# Altium PCB SOM Board with RK3399.PcbDoc (part 1 of 5) (continued)
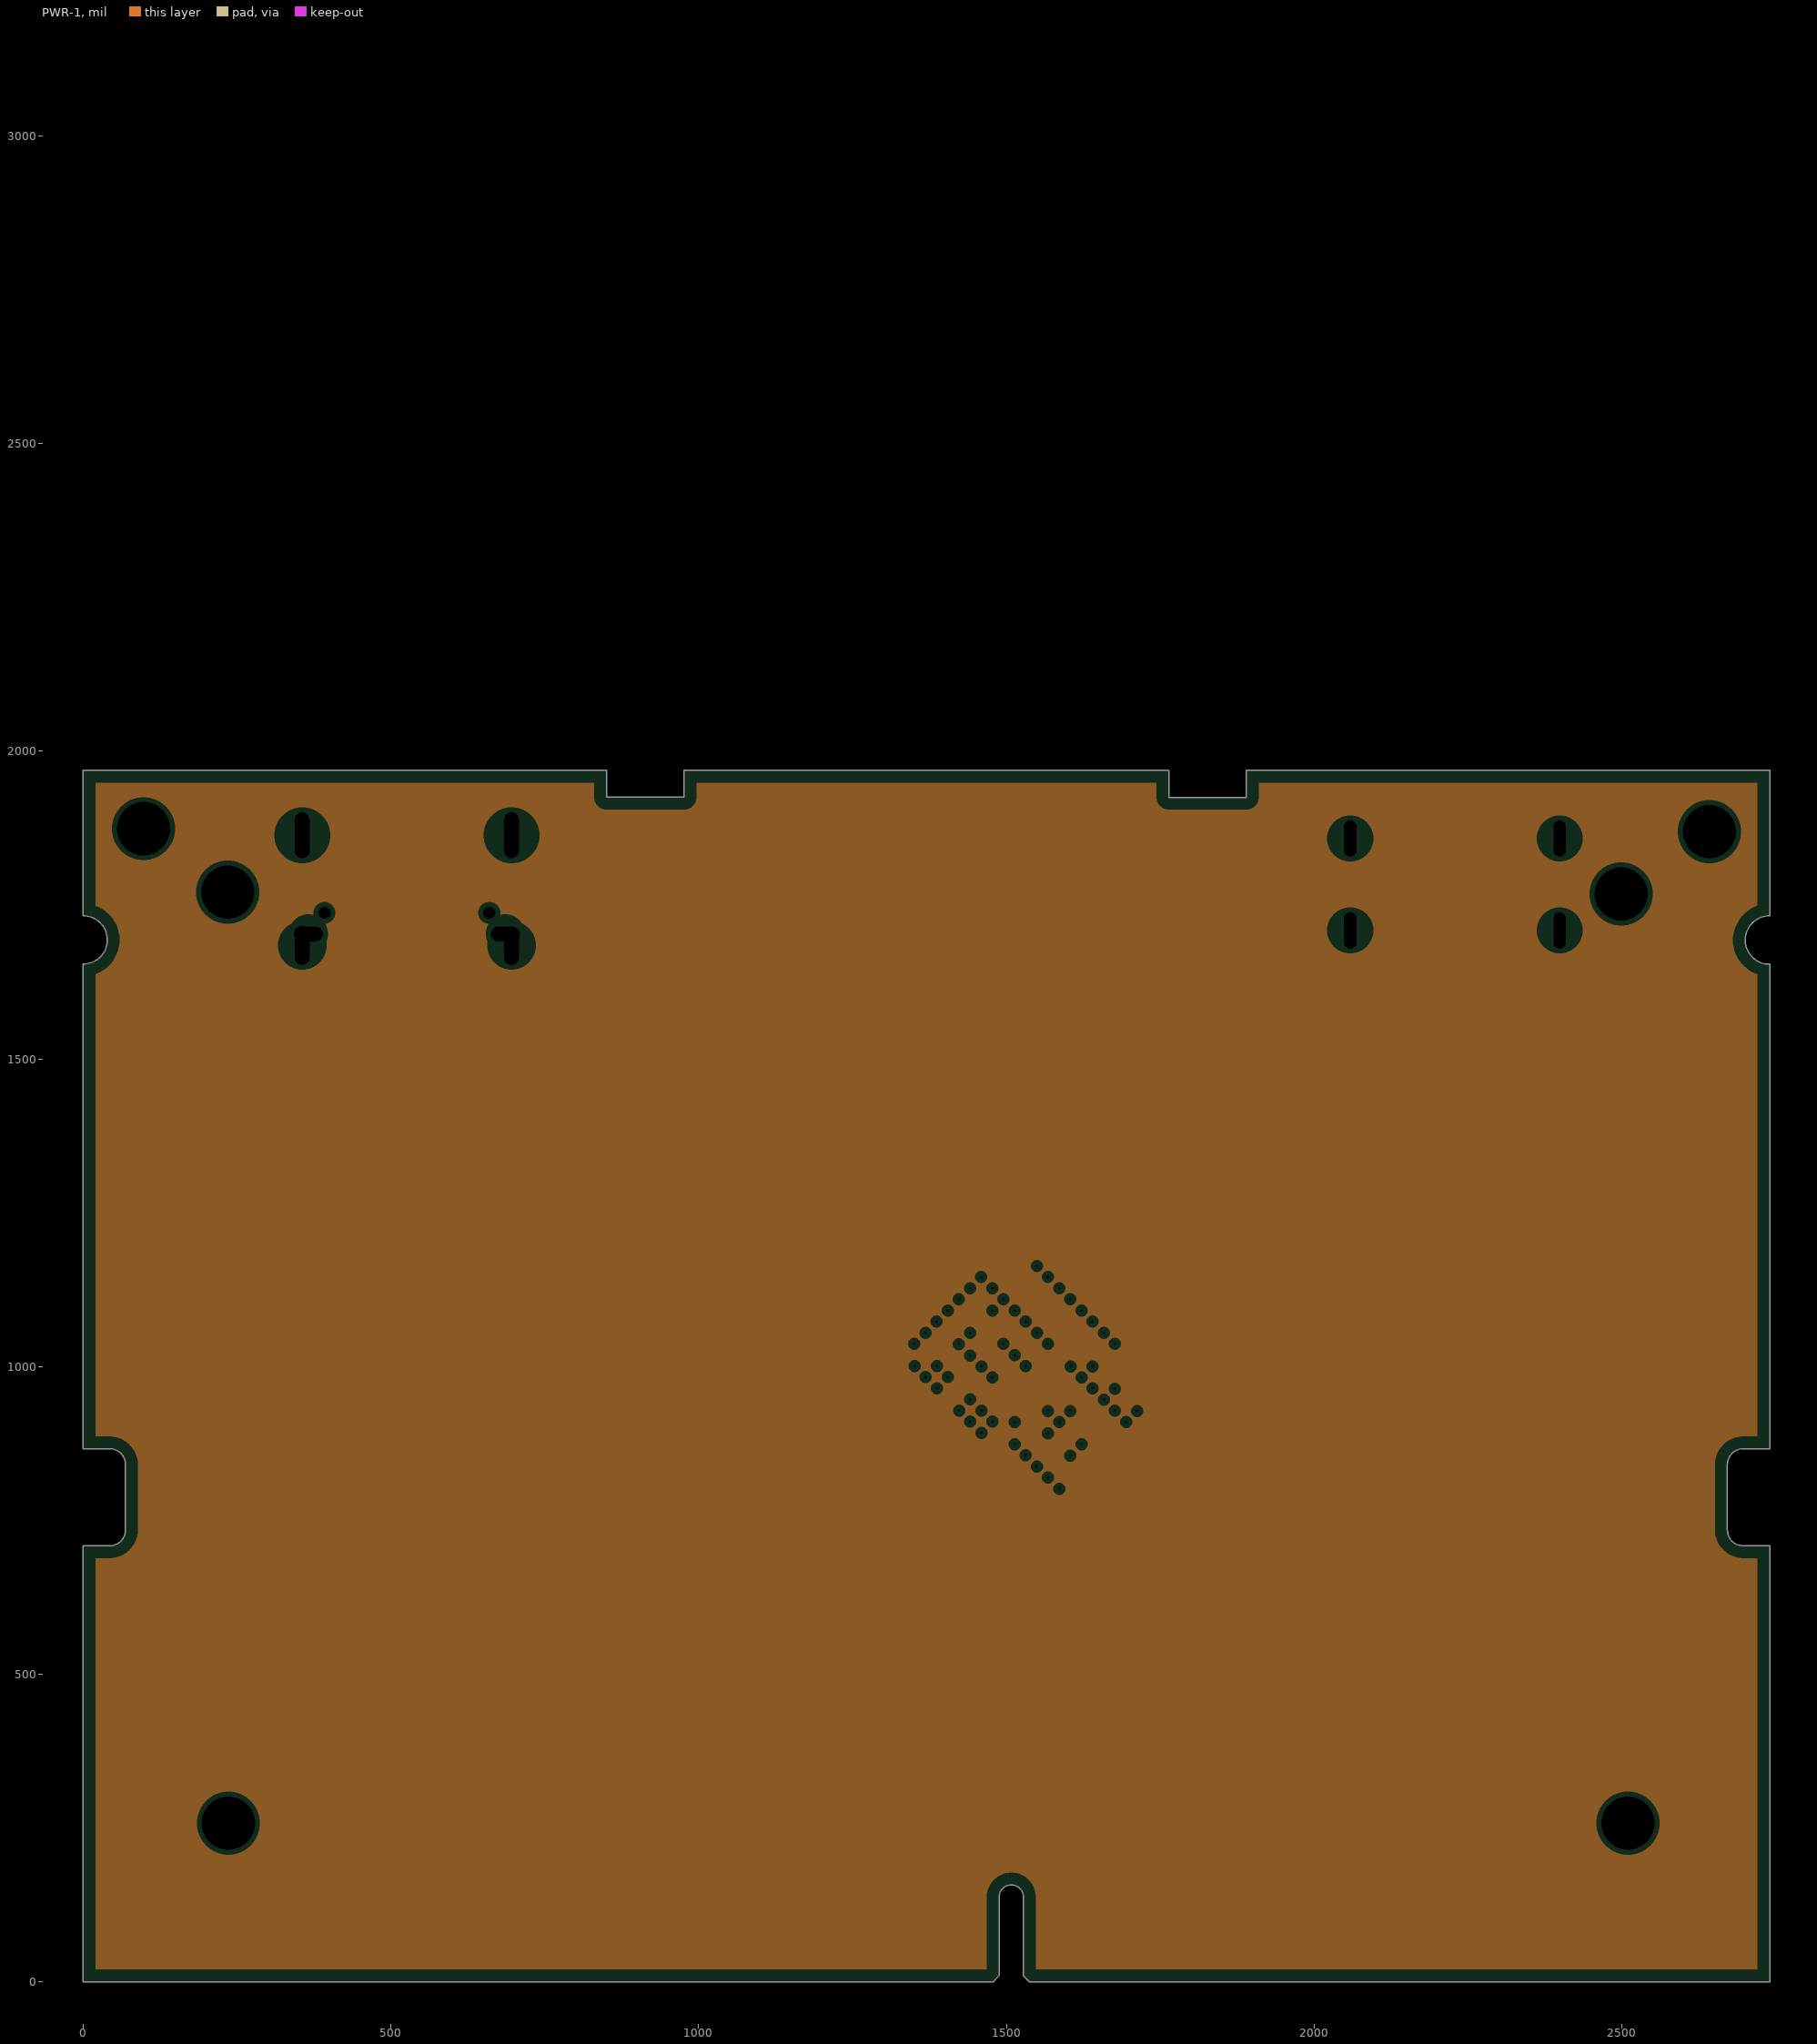
[diagram p3: PWR-1, clearances drawn from the general rule]
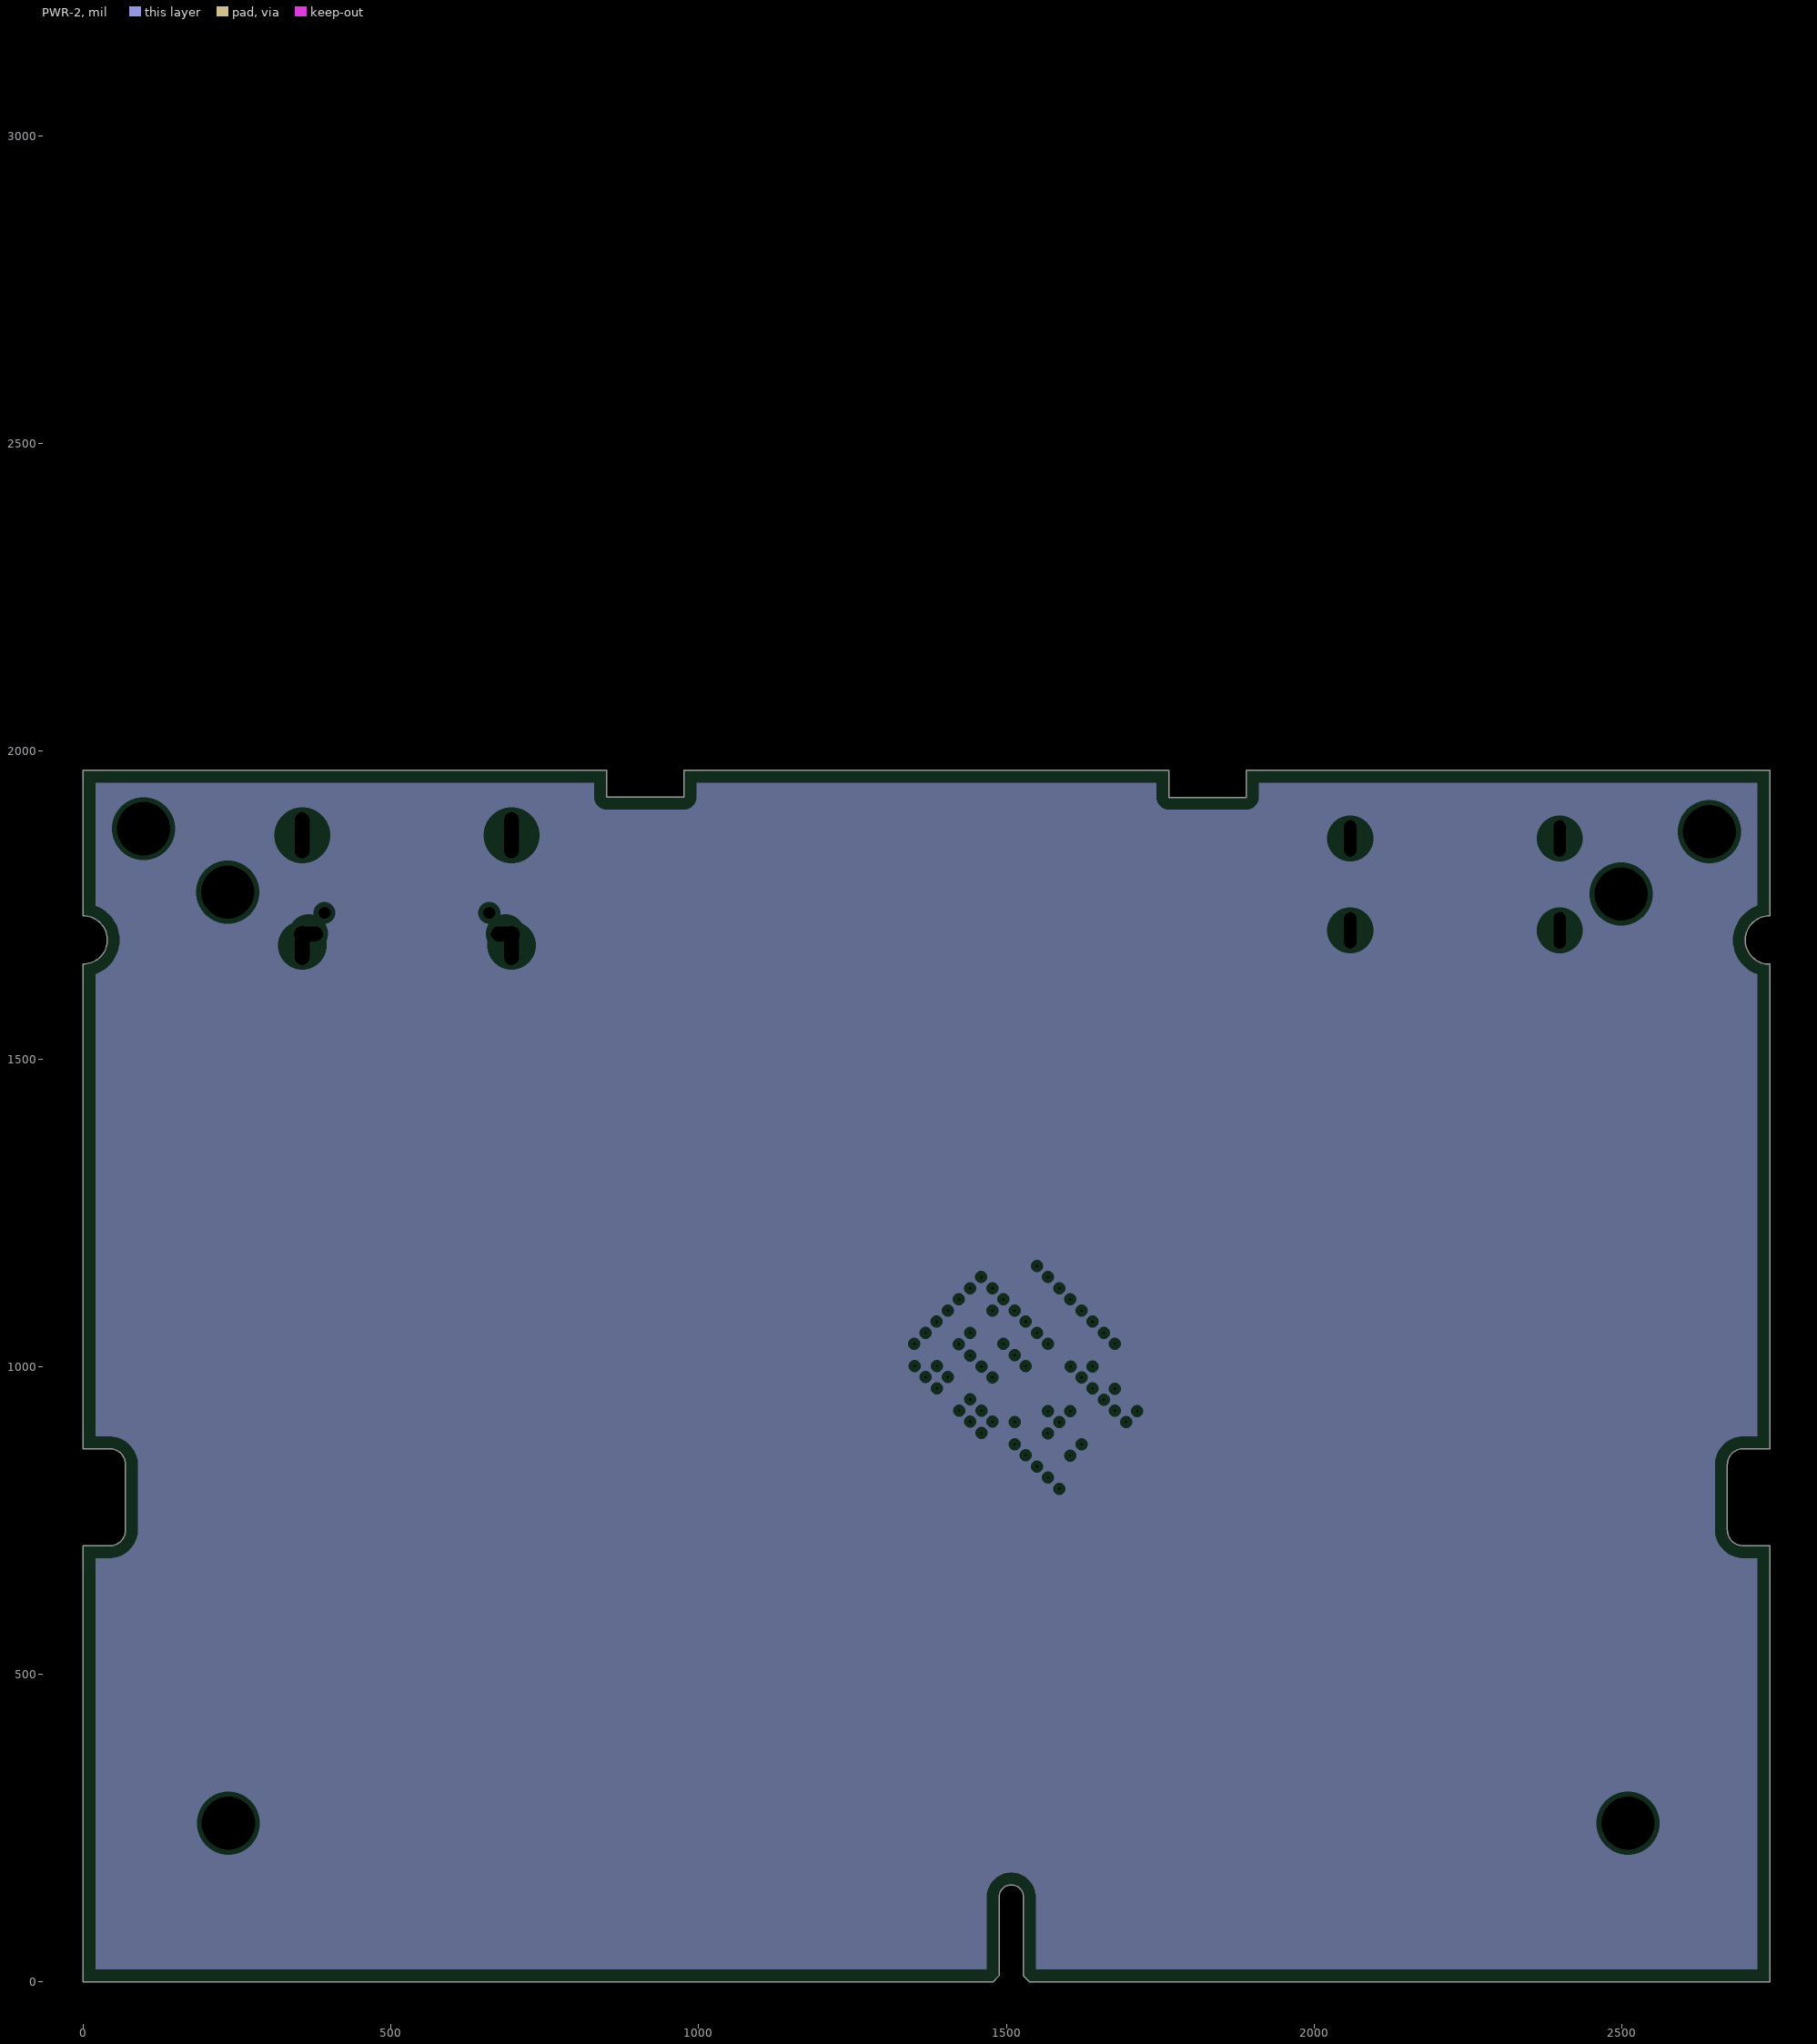
[diagram p4: PWR-2, clearances drawn from the general rule]
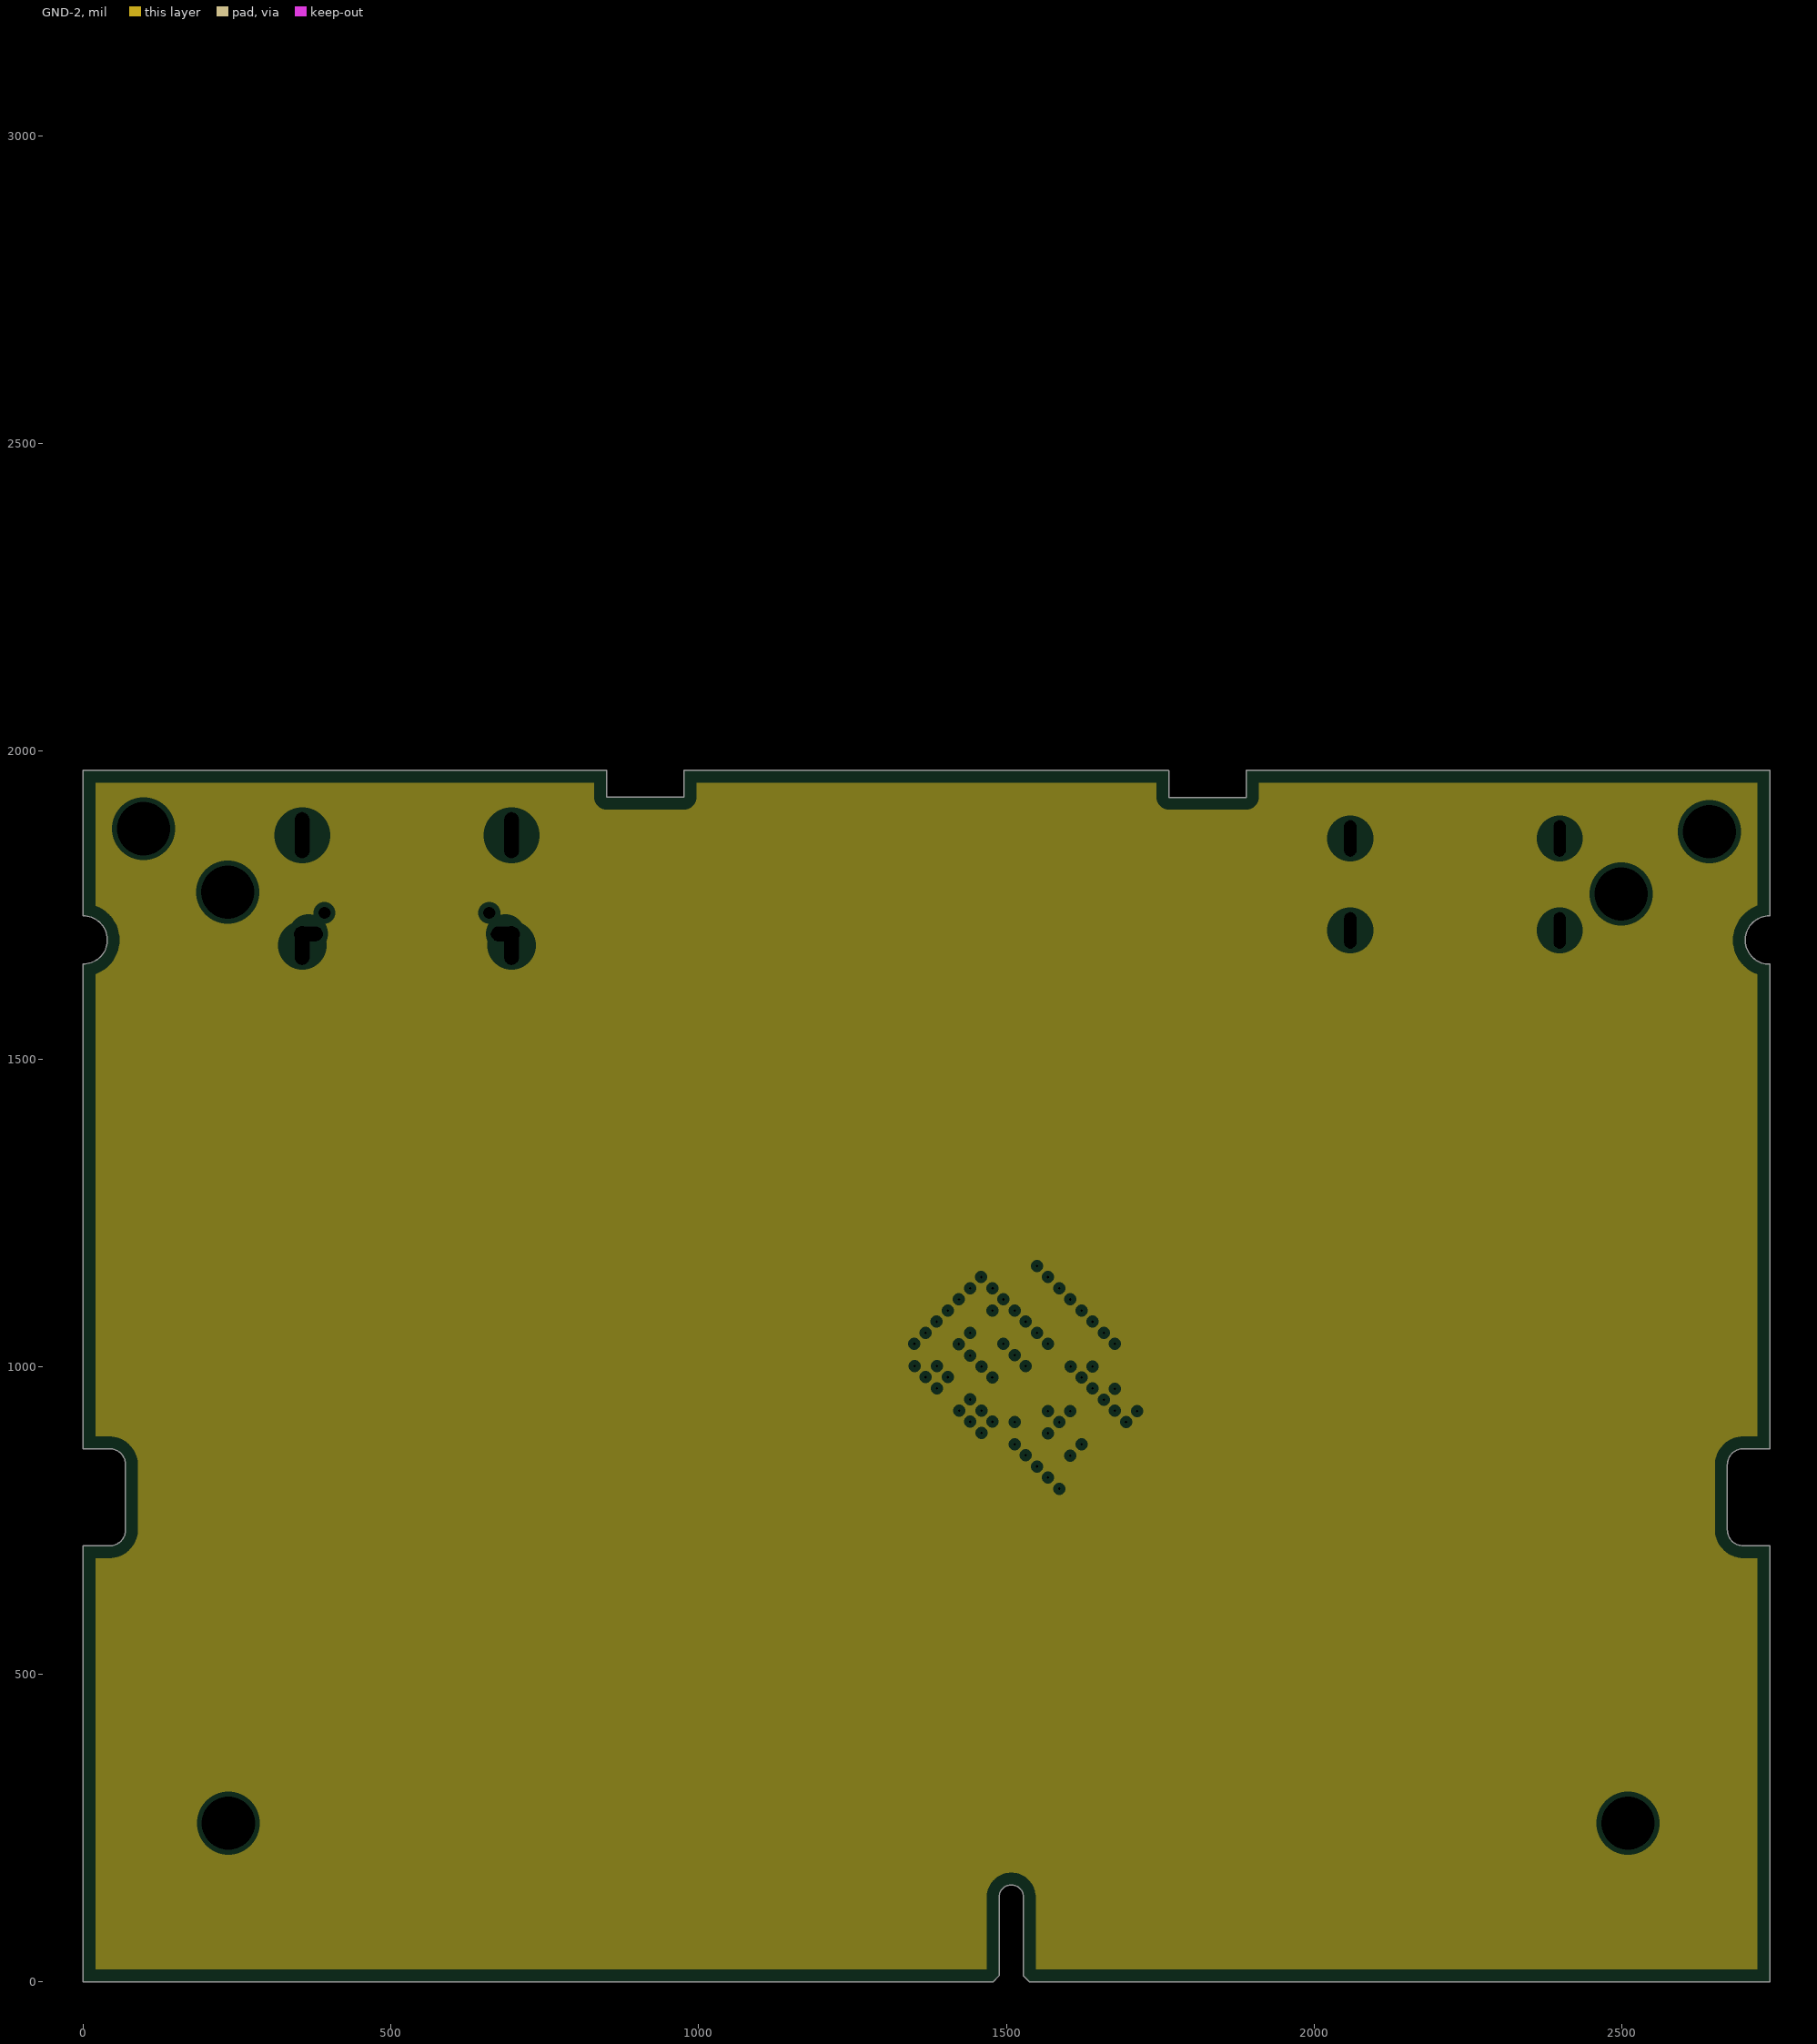
[diagram p5: GND-2, clearances drawn from the general rule]
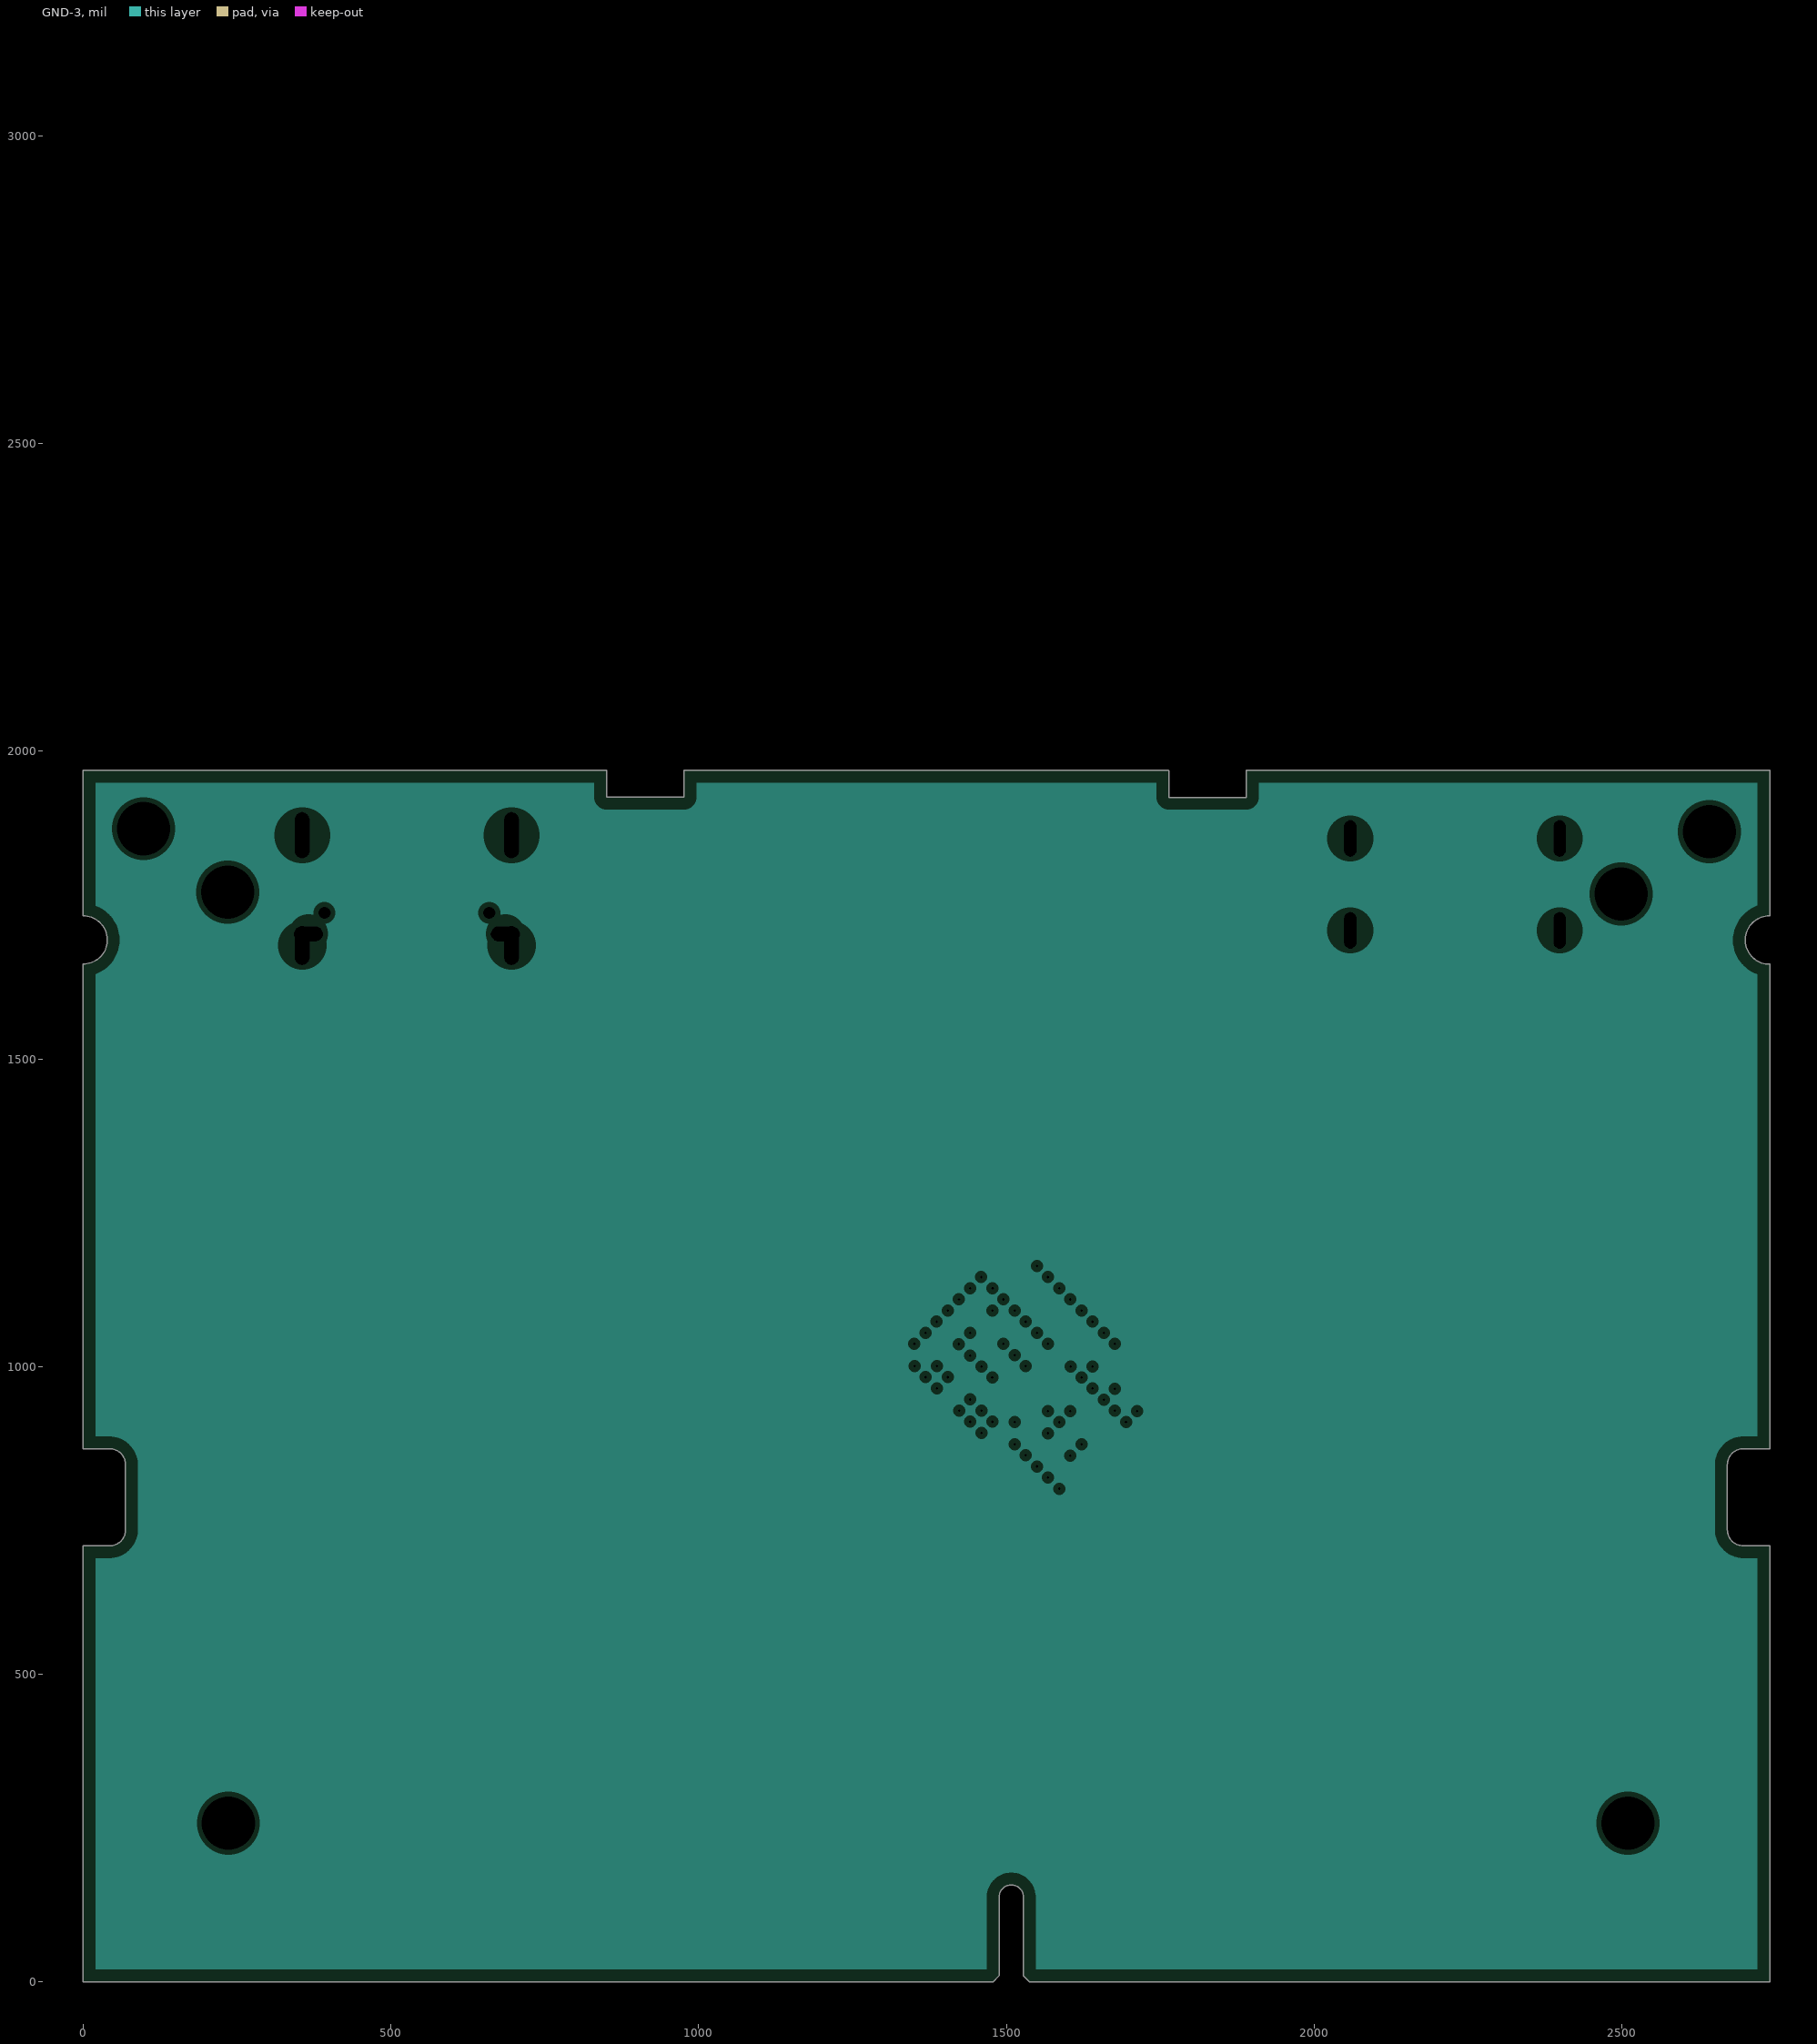
[diagram p6: GND-3, clearances drawn from the general rule]